# Altium PCB PING2_PCB.PcbDoc
Units mil, origin at the board's own origin, x right, y up, seen from the top; angles counter-clockwise.
Board outline 6935 x 4405 mil, 2 copper layers (Top Layer, Bottom Layer); 75 components, 91 nets, 444 pads, 0 vias.
Unrouted connection lines stored in the file: 55.
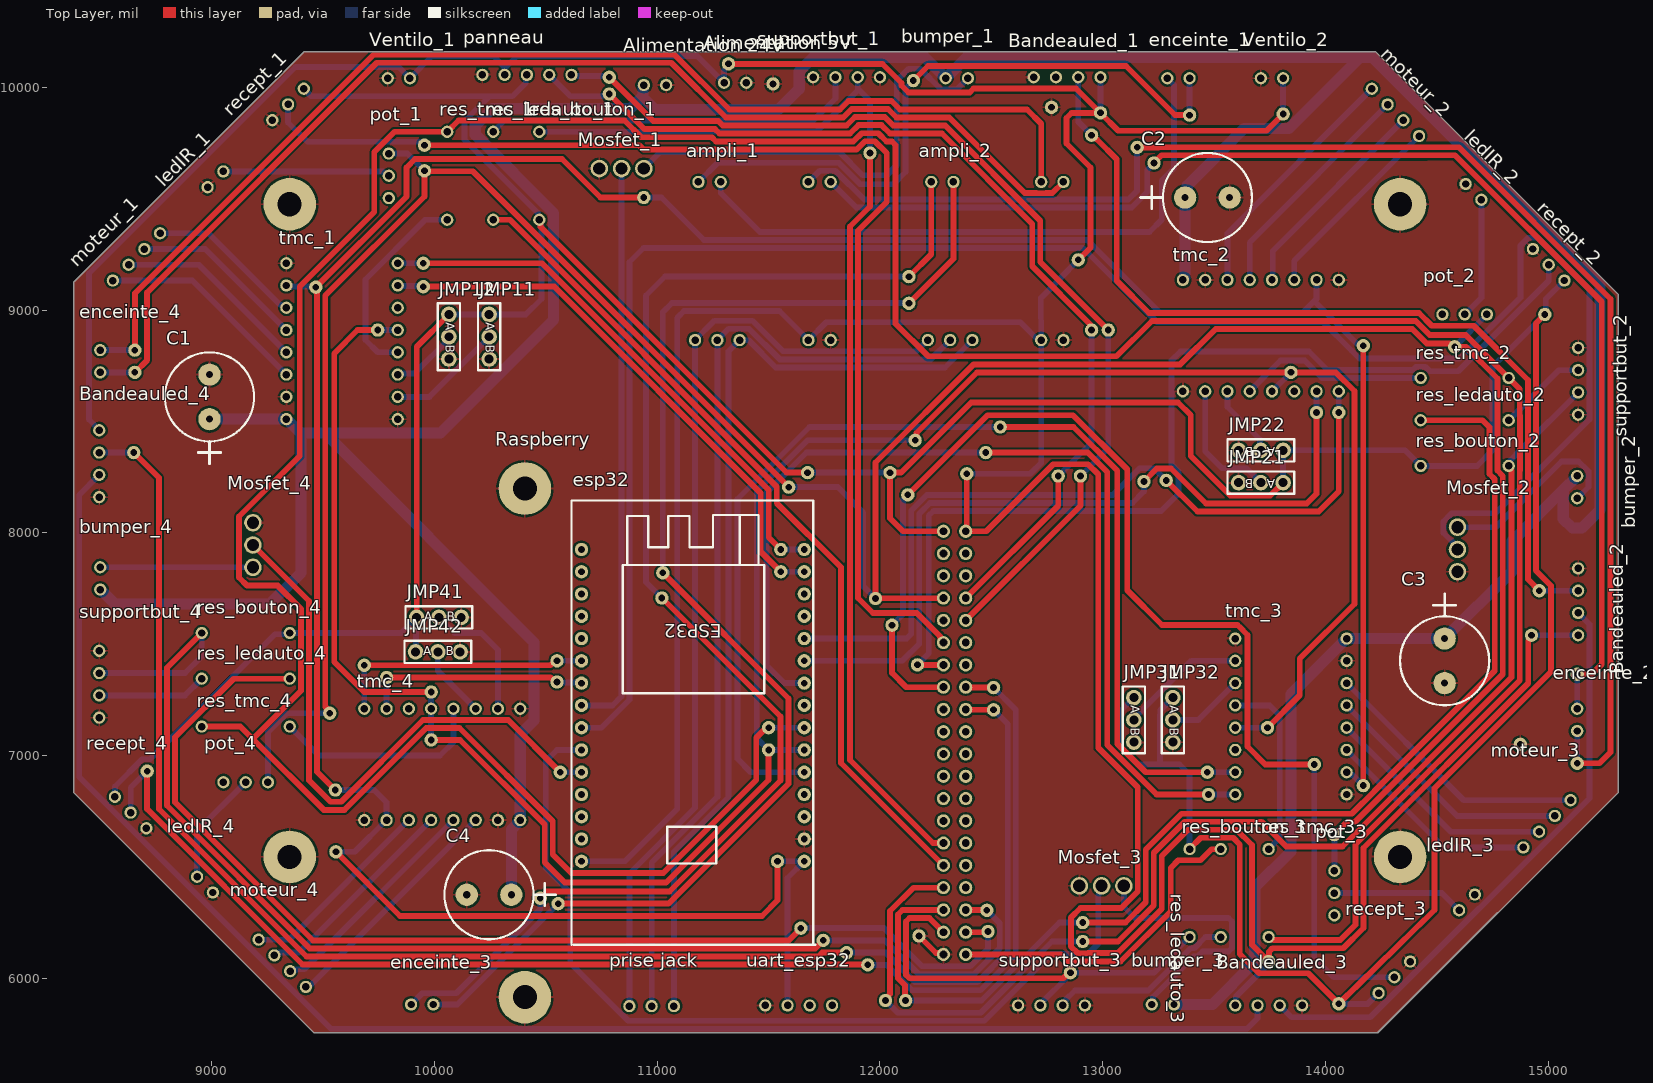
[diagram p0: Top Layer view]
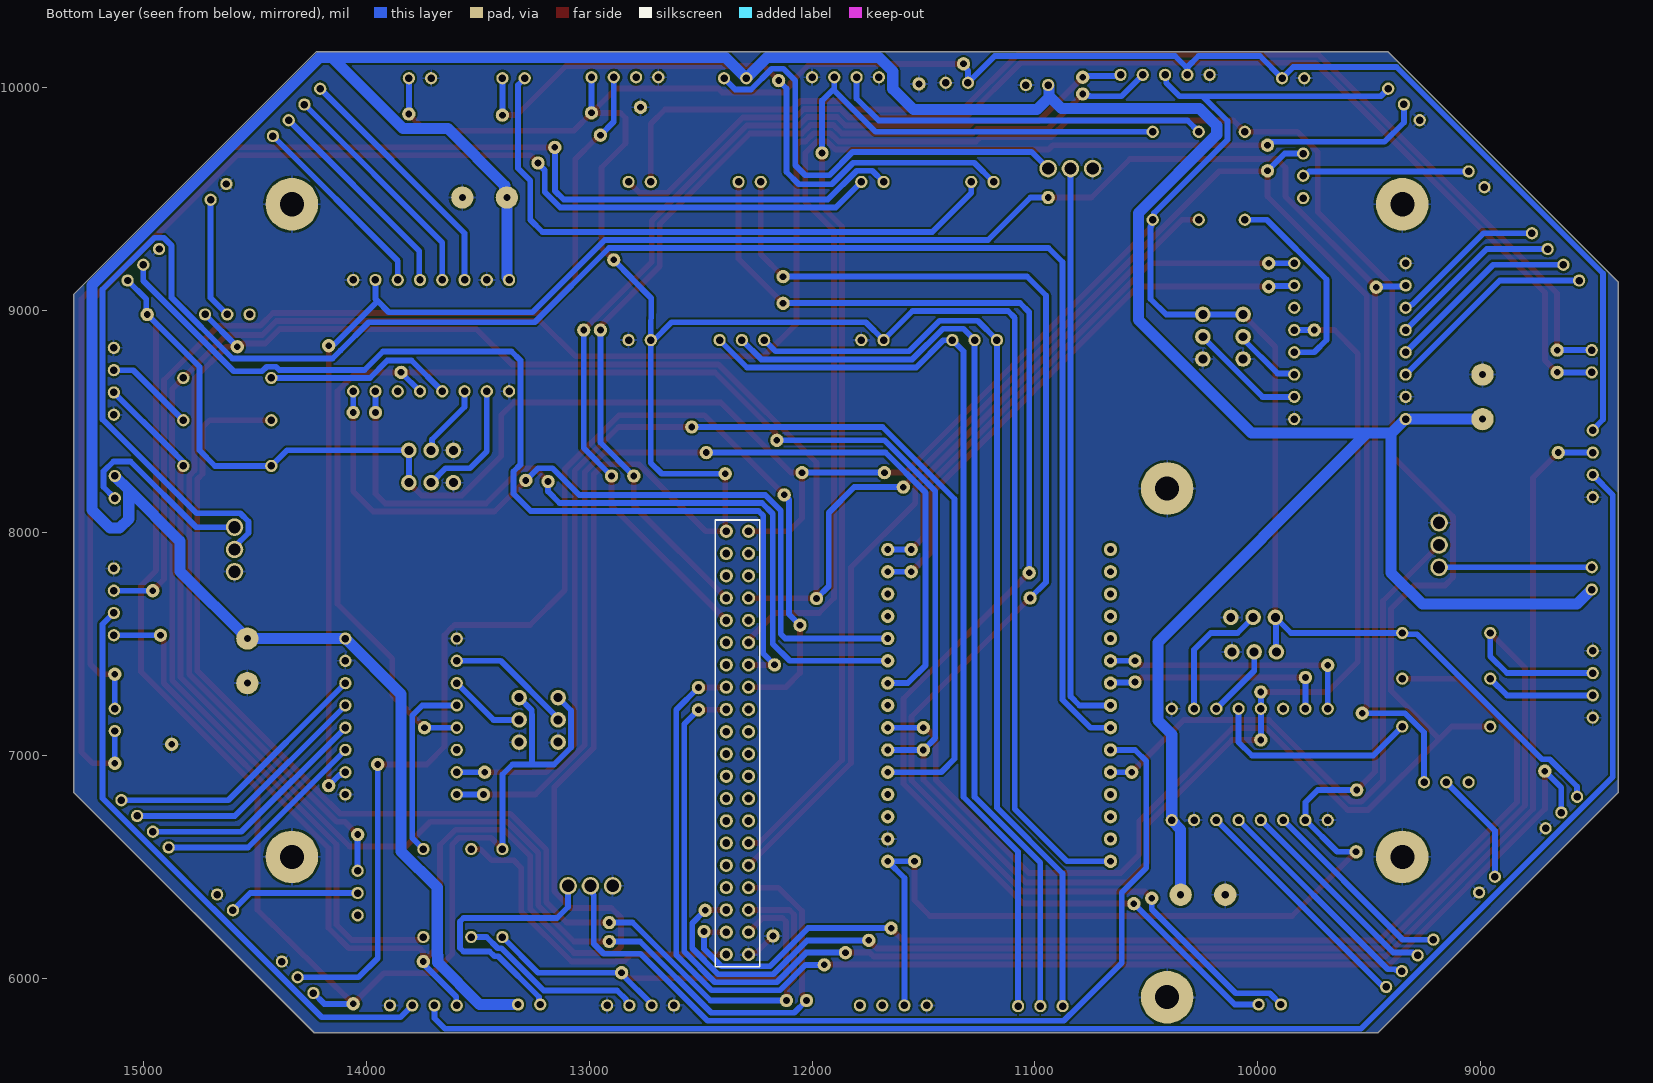
[diagram p1: Bottom Layer view, seen from below]

## Layer stack, top to bottom
Top Solder: solder mask 0.4, Solder Resist, Dk 3.5
Top Layer: signal copper 1.4
Dielectric 1: dielectric 12.6, FR-4, Dk 4.8
Bottom Layer: signal copper 1.4
Bottom Solder: solder mask 0.4, Solder Resist, Dk 3.5

## Board outline
9459.69,5755 14235,5755 15315,6835 15315,9070 14225,10160 9415,10160 8380,9125 8380,6834.69

## Design rules (kind name [scope] priority, off if disabled: settings)
Clearance [All] p1: gap=10 ignorepadtopadclearanceinfootprint=FALSE except(0: Arc-Hole Track-Hole SMDPad-Hole THPad-Hole Via-Hole Fill-Hole Poly-Hole Region-Hole Text-Hole)
PolygonConnect [All] p1: connectstyle=Relief reliefconductorwidth=10 reliefentries=4 polygonreliefangle="90 Angle" airgapwidth=10
RoutingVias [All] p1: holewidth=30 width=60 viastyle="Through Hole" minholewidth=30 minwidth=60 maxholewidth=30 maxwidth=60
SolderMaskExpansion [All] p1: expansion=4 istentingtop=FALSE
Width [All] p1: maxlimit=50 minlimit=26 preferedwidth=26 minimp=50.000000 maximp=50.000000 favimp=50.000000
30 further rules are at their usual default settings.

## Components (designator, comment, footprint, x,y, rotation, side; value= is the part's Value field where it differs from the comment)
"Alimentation 5V" "Header_2" Header_2 11600,10020 r180 top
"Alimentation 24V" "Header_2" Header_2 11240,10010 r180 top
ampli_1 "HW-104 (ampli)" "HW-104 (ampli)" 11475,9120 r0 top
ampli_2 "HW-104 (ampli)" "HW-104 (ampli)" 12520,9120 r0 top
Bandeauled_1 "Header_4" Header_4 12490,10045 r0 top
Bandeauled_2 "Header_4" Header_4 15134.41,8040 r270 top
Bandeauled_3 "Header_4" Header_4 14095,5877.8 r180 top
Bandeauled_4 "Header_4" Header_4 8495,7960 r90 top
bumper_1 "Header_2" Header_2 12095,10040.59 r0 top
bumper_2 "Header_2" Header_2 15130,8455 r270 top
bumper_3 "Header_2" Header_2 13520,5882.2 r180 top
bumper_4 "Header_2" Header_2 8499.41,7545 r90 top
C1 "CAP_POL" RB.2/.4 8990,8510 r270 top value=1u
C2 "CAP_POL" RB.2/.4 13370,9505 r180 top value=1u
C3 "CAP_POL" RB.2/.4 14535,7525 r90 top value=1u
C4 "CAP_POL" RB.2/.4 10345,6375 r0 top value=1u
enceinte_1 "Header_2" Header_2 13090,10040.59 r0 top
enceinte_2 "Header_2" Header_2 15130,7410 r270 top
enceinte_3 "Header_2" Header_2 10195,5882.2 r180 top
enceinte_4 "Header_2" Header_2 8499.41,8520 r90 top
esp32 "esp32-30pins" esp32-30pins 11140,6955 r0 top
JMP11 "JUMPER3" JMP3-100 10245,8980 r270 top
JMP12 "JUMPER3" JMP3-100 10065,8980 r270 top
JMP21 "JUMPER3" JMP3-100 13810,8225 r180 top
JMP22 "JUMPER3" JMP3-100 13810,8370 r180 top
JMP31 "JUMPER3" JMP3-100 13140,7260 r270 top
JMP32 "JUMPER3" JMP3-100 13315,7260 r270 top
JMP41 "JUMPER3" JMP3-100 9920,7620 r0 top
JMP42 "JUMPER3" JMP3-100 9915,7465 r0 top
ledIR_1 "Header_2" Header_2 8840,9410 r45 top
ledIR_2 "Header_2" Header_2 14487.87,9707.13 r315 top
ledIR_3 "Header_2" Header_2 14812.04,6517.23 r225 top
ledIR_4 "Header_2" Header_2 9146.42,6243.58 r135 top
Mosfet_1 "Mosfet" Mosfet 10670,9629.82 r0 top
Mosfet_2 "Mosfet" Mosfet 14597.68,7755 r90 top
Mosfet_3 "Mosfet" Mosfet 12825,6409.82 r0 top
Mosfet_4 "Mosfet" Mosfet 9179.82,8115 r270 top
moteur_1 "Header_4" Header_4 8414.63,8990.87 r45 top
moteur_2 "Header_4" Header_4 14066.72,10134.51 r315 top locked
moteur_3 "Header_4" Header_4 15241.94,6940.9 r225 top
moteur_4 "Header_4" Header_4 9564.01,5819.75 r135 top
panneau "Header_5" Header_5 10015,10055.59 r0 top
pot_1 "potentiometre_variable" Potentiometre_variable 9845,9882.5 r270 top
pot_2 "potentiometre_variable" Potentiometre_variable 14905,8930 r180 top
pot_3 "potentiometre_variable" Potentiometre_variable 14090,6662.5 r270 top
pot_4 "potentiometre_variable" Potentiometre_variable 9432.5,6830 r180 top
"prise jack" "Header_3" Header_3 11275,5875 r180 top
Raspberry "raspberry_3B+" raspberry_3b+ 11529.45,7201.65 r270 top
recept_1 "Header_3" Header_3 9130.62,9710.81 r45 top
recept_2 "Header_3" Header_3 14789.95,9415.24 r315 top
recept_3 "Header_3" Header_3 14521.42,6216.42 r225 top
recept_4 "Header_3" Header_3 8848.12,6531.69 r135 top
res_bouton_1 "resistance" resistance 10470.67,9540 r90 top
res_bouton_2 "resistance" resistance 14562.5,8300 r0 top
res_bouton_3 "resistance" resistance 13390,6445 r270 top
res_bouton_4 "resistance" resistance 9215,7550 r180 top
res_ledauto_1 "resistance" resistance 10263.82,9540 r90 top
res_ledauto_2 "resistance" resistance 14562.5,8505 r0 top
res_ledauto_3 "resistance" resistance 13530,6445 r270 top
res_ledauto_4 "resistance" resistance 9215,7345 r180 top
res_tmc_1 "resistance" resistance 10056.97,9540 r90 top
res_tmc_2 "resistance" resistance 14562.5,8695 r0 top
res_tmc_3 "resistance" resistance 13745,6445 r270 top
res_tmc_4 "resistance" resistance 9215,7130 r180 top
supportbut_1 "Header_4" Header_4 11500,10045 r0 top
supportbut_2 "Header_4" Header_4 15134.41,9030 r270 top locked
supportbut_3 "Header_4" Header_4 13120,5877.8 r180 top
supportbut_4 "Header_4" Header_4 8495,6970 r90 top
tmc_1 "tmc2209" tmc2209 9635,8880 r180 top
tmc_2 "tmc2209" tmc2209 13730,8835 r90 top
tmc_3 "tmc2209" tmc2209 13795,7155 r0 top
tmc_4 "tmc2209" tmc2209 10015,7010 r270 top
uart_esp32 "Header_4" Header_4 11985,5877.8 r180 top
Ventilo_1 "Header_2" Header_2 9590,10040.59 r0 top
Ventilo_2 "Header_2" Header_2 13510,10040.59 r0 top

## Footprints (in the part's own frame and the unit in brackets; to place one, negate y for a bottom-side part, rotate by r counter-clockwise, add the part's x,y. Pads: shape width x height; smd on the part's side, far side on the other; paste and mask are expansions set on the pad)
esp32-30pins [mil]
  round 60 hole 30: 1(-480,970) 1(-480,970) 2(-480,870) 3(-480,770) 4(-480,670) 5(-480,570) 6(-480,470) 7(-480,370) 8(-480,270) 9(-480,170) 10(-480,70) 11(-480,-30) 12(-480,-130) 13(-480,-230) 14(-480,-330) 15(-480,-430) 16(520,970) 17(520,870) 18(520,770) 19(520,670) 20(520,570) 21(520,470) 22(520,370) 23(520,270) 24(520,170) 25(520,70) 26(520,-30) 27(520,-130) 28(520,-230) 29(520,-330) 30(520,-430)
  silkscreen extent -525,-805 570,1190, body extent -529,-825 585,1203, height 531
Header_2 [mm]
  round 1.4 hole 0.85: 1(5.08,0) 2(7.62,0)
  body extent 2.71,-3.05 10.25,2.65, height 7.4
Header_3 [mm]
  round 1.4 hole 0.85: 1(5.08,0) 2(7.62,0) 3(10.16,0)
  body extent 2.62,-3.23 12.7,2.47, height 7.2
Header_4 [mm]
  round 1.4 hole 0.85: 1(5.08,0) 2(7.62,0) 3(10.16,0) 4(12.7,0)
  body extent 2.64,-3.16 15.14,2.54, height 7
Header_5 [mm]
  round 1.4 hole 0.85: 1(5.08,0) 2(7.62,0) 3(10.16,0) 4(12.7,0) 5(15.24,0)
  body extent 2.66,-3.43 17.66,2.27, height 7
"HW-104 (ampli)" [mm]
  round 1.4 hole 0.85: 1(-7.747,-6.477) 2(-5.207,-6.477) 3(-2.667,-6.477) 4(5.174,-6.477) 5(7.714,-6.477) 6(-7.366,11.557) 7(-4.826,11.557) 8(5.174,11.557) 9(7.714,11.557)
  body extent -9.01,-8 9.51,13.1, height 7.44
JMP3-100 [mil]
  round 70 hole 40: 1(0,0) 2(200,0) 3(100,0)
  silkscreen extent -50,-50 250,50
Mosfet [mm]
  round 2 hole 1.4: 1(1.778,0.127) 2(4.318,0.127) 3(6.858,0.127)
  body extent -0.95,-3.04 9.59,1.65, height 19.62
Potentiometre_variable [mm]
  round 1.4 hole 0.85: 1(4.572,-1.27) 2(7.112,-1.27) 3(9.652,-1.27)
  body extent 2.11,-3.68 12.11,1.32, height 12.38
raspberry_3b+ [mm]
  round 1.5 hole 0.9: 1(-20.449,19.191) 2(-20.449,21.731) 3(-17.909,19.191) 4(-17.909,21.731) 5(-15.369,19.191) 6(-15.369,21.731) 7(-12.829,19.191) 8(-12.829,21.731) 9(-10.289,19.191) 10(-10.289,21.731) 11(-7.749,19.191) 12(-7.749,21.731) 13(-5.209,19.191) 14(-5.209,21.731) 15(-2.669,19.191) 16(-2.669,21.731) 17(-0.129,19.191) 18(-0.129,21.731) 19(2.411,19.191) 20(2.411,21.731) 21(4.951,19.191) 22(4.951,21.731) 23(7.491,19.191) 24(7.491,21.731) 25(10.031,19.191) 26(10.031,21.731) 27(12.571,19.191) 28(12.571,21.731) 29(15.111,19.191) 30(15.111,21.731) 31(17.651,19.191) 32(17.651,21.731) 33(20.191,19.191) 34(20.191,21.731) 35(22.731,19.191) 36(22.731,21.731) 37(25.271,19.191) 38(25.271,21.731) 39(27.811,19.191) 40(27.811,21.731) ""(-17.909,19.191)
  round 6 hole 2.75: ""(-25.319,-28.539) ""(32.681,-28.539)
  body extent -21.84,18.09 29.21,23.09, height 8.5
RB.2/.4 [mil]
  round 100 hole 32: 1(0,0) 2(-200,0)
  silkscreen extent -300,-200 200,200
resistance [mm]
  round 1.4 hole 0.85: 1(-3.429,0) 2(6.604,0)
  body extent -3.86,-1.17 6.91,1.14, height 3.05
tmc2209 [mm]
  round 1.4 hole 0.85: 1(-5.08,9.398) 2(-5.08,6.858) 3(-5.08,4.318) 4(-5.08,1.778) 5(-5.08,-0.762) 6(-5.08,-3.302) 7(-5.08,-5.842) 8(-5.08,-8.382) 9(7.62,9.398) 9(7.62,9.398) 10(7.62,6.858) 11(7.62,4.318) 12(7.62,1.778) 13(7.62,-0.762) 14(7.62,-3.302) 15(7.62,-5.842) 16(7.62,-8.382)
  body extent -6.48,-9.53 8.76,10.8, height 21.5

## Part data
C1 C2 C3 C4: "capacité polarisée"
JMP11 JMP12 JMP21 JMP22 JMP31 JMP32 JMP41 JMP42: "cavalier 2 positions"

## Free pads (board coordinates)
  round 60 hole 30: 2(12855,6025) 3(14040,6645) 4(12390,8265) 5(9555,6845) 6(9467.5,9102.5) 7(9685,7405) 7(9785,7350) 7(9950,9105) 7(9950,9210) 7(9985,7070) 7(11320,10105) 7(11500,7025) 7(11500,7125) 7(11555,7825) 7(11555,7925) 7(12890,9225) 7(12950,9785) 7(12990,9885) 7(13185,8230) 7(13285,8235) 7(13740,7125) 7(13745,6075) 7(13810,9880) 7(13845,8720) 7(13960,8540) 7(14060,8540) 7(14170,6865) 7(14170,8840) 7(14925,7540) 7(14960,7740) 8(11955,9705) 9(11540,6525) 10(10550,7330) 11(10550,7425) 13(9955,9740) 14(8650,8360) 14(8710,6930) 14(9530,7190) 14(9745,8910) 14(9955,9625) 14(9985,7285) 14(10940,9505) 14(11590,8205) 14(11645,6225) 14(11675,8270) 14(11745,6170) 14(11850,6115) 14(11945,6060) 14(11980,7705) 14(12025,5900) 14(12045,8270) 14(12115,5900) 14(12168.27,7406.73) 14(12510,7205) 14(12510,7305) 14(12910,6165) 14(12910,6250) 14(13950,6960) 14(14060,5885) 14(14580,8835) 15(10474.49,6359.49) 15(10555,6335) 15(10785,9970) 15(10785,10045) 15(11021,7707) 15(11025,7820) 15(12054,7585) 15(12125,8170) 15(12130,9030) 15(12130,9150) 15(12150,10030) 15(12157.71,8415) 15(12475,8360) 15(12540,8475) 15(12800,8255) 15(12900,8255) 15(12950,8910) 15(13025,8910) 15(13470,6925) 16(13475,6825) 17(15130,6965) 18(15130,7365) 19(13154.5,9730) 20(13230,9660) 21(13390,9875) 22(14985,8980) 23(8655,8820) 24(8655,8720) 25(9557.5,6567.5) 26(10565,6925) 27(12480,6305) 28(12485,6210) 29(12175,6190) 30(11520,10015) 31(12770,9910) 32(14875,7050)
  round 236.22 hole 108.27: ""(9350,6545) ""(9350,9475) ""(14335,6545) ""(14335,9475)

## Nets (pads, with @x,y where several pads share a name; then routed paths per layer and width w, separated by ;. In a path a pad name is that pad's centre, name@x,y a point inside that pad or via, vN(x,y) a via of type N, cw(c..) or ccw(c..) an arc to the next point about the centre after c; other vN are vias at no path point)
3.3V: JMP11.1 JMP12.1 JMP21.1 JMP22.1 JMP31.1 JMP32.1 JMP41.1 JMP42.1 pad.14@11675,8270 pad.14@12045,8270 pad.14@14060,5885 pad.22 panneau.3 Raspberry.1 recept_1.3 recept_2.3 recept_3.3 recept_4.3 res_bouton_1.1 res_bouton_2.1 res_bouton_3.1 res_bouton_4.1 | length 18961.7
  Top Layer w26: JMP41.1 9920,8835 JMP12.1 ; res_bouton_1.1 10476.24,9399.43 10476.24,9373.76 11580,8270 pad.14@11675,8270 ; Raspberry.1 12103.27,8006.73 12045,8065 12045,8270 12095,8270 12410,8585 13338.5,8585 13395,8528.5 13395,8345 13573,8167 13752,8167 JMP21.1 ; res_bouton_3.1 13440.56,6630.56 13585.94,6630.56 13615.56,6600.94 13615.56,6109.44 13703,6022 13923,6022 14060,5885 14490,6306.45 14490,6853.18 15013,7376.18 15013,7761.95 14945,7829.95 14945,8249.18 14945.06,8249.23 14945.06,8940.06 pad.22
  Bottom Layer w26: recept_4.3 8565.97,6815.24 8565.97,6860.92 8688.05,6983 8723,6983 9284.43,7544.43 9323.84,7544.43 9344.43,7544.43 res_bouton_4.1 9850,7550 JMP41.1@9917.5,7617.5 ; recept_1.3 9447.11,9960 10247.12,9960 ; JMP42.1 9917.5,7467.5 JMP41.1@9917.5,7617.5 ; JMP41.1 JMP41.1@9917.5,7617.5 ; JMP12.1 JMP11.1 10410,8980 10480,9050 10480,9375.21 10476.24,9378.97 10476.24,9399.43 10465.1,9410.57 10465.1,9434.9 10135.21,9764.79 10135.21,9848.09 10247.12,9960 ; panneau.3 10409.43,10050.02 10409.43,10019.43 10350,9960 10247.12,9960 ; pad.14@11675,8270 pad.14@12045,8270 ; JMP31.1 13082,7202 13082,7035.98 13157.98,6960 13257.94,6960 ; JMP32.1 13257.94,7202.94 13257.94,7184.96 13257,7184.02 13257,6960.94 13257.94,6960 ; res_bouton_3.1 13390,6915 13345,6960 13257.94,6960 ; JMP21.1 JMP22.1 14357.5,8370 res_bouton_2.1 14680,8300 14750.15,8370.15 14750.15,8745.15 pad.22 14989.39,8984.39 14989.39,9049 recept_2.3 ; pad.14@14060,5885 14190,5885 recept_3.3
3.3V-esp32: esp32.30 pad.5 pad.6 pad.7@14170,6865 pad.7@14170,8840 pad.9 pad.14@10940,9505 pad.25 tmc_1.15 tmc_2.15 tmc_3.15 tmc_4.15 uart_esp32.3 | length 13747.1
  Top Layer w26: pad.5 9472.56,6927.44 9472.56,9097.44 pad.6 9875,9510 9875,9640 9913,9678 10212.49,9678 10213.05,9677.44 10572.56,9677.44 10745,9505 pad.14@10940,9505 ; pad.25 9845,6280 11470,6280 11540,6350 pad.9 ; pad.7@14170,6850 14170,6865 pad.7@14170,8840
  Bottom Layer w26: tmc_1.15 9340,9105 9465,9105 pad.6 ; pad.5 9730,6845 9785,6790 tmc_4.15 9642.5,6567.5 pad.25 ; pad.14@10940,9505 11018.91,9505 11209.91,9314 12931,9314 13255,8990 13900,8990 13950,9040 ; pad.9 esp32.30 11585,6450 uart_esp32.3 ; tmc_2.15 13960,9050 13950,9040 ; tmc_3.15 14102.88,6925 14115.66,6912.22 14122.78,6912.22 pad.7@14170,6865 ; pad.7@14170,8840 14163.49,8846.51 14143.49,8846.51 13950,9040
5V: "Alimentation 5V.2" ampli_1.4 ampli_2.4 Bandeauled_1.4 Bandeauled_2.4 Bandeauled_3.4 Bandeauled_4.4 esp32.15 pad.4 pad.7@11320,10105 pad.7@12890,9225 pad.7@12990,9885 pad.7@13745,6075 pad.7@13810,9880 pad.7@14925,7540 panneau.2 Raspberry.2 Ventilo_1.2 Ventilo_2.2 | length 21716.2
  Top Layer w26: pad.7@11320,10105 12011.5,10105 12097,10019.5 12097,10008.05 12128.05,9977 12402.91,9977 12420.35,9994.44 12880.56,9994.44 pad.7@12990,9885 ; pad.4@12390,8260 12390,8011.73 Raspberry.2 12476.78,8006.73 12778.05,8308 12934.27,8308 12980,8262.27 12980,7035 13157.37,6857.63 13157.37,6388.99 13083.38,6315 12900.05,6315 12857,6271.95 12857,6143.05 12886.05,6114 12891.86,6114 12893.86,6112 12931.95,6112 12933.95,6114 13068.09,6114 13265.37,6311.28 13265.37,6548.55 13383.38,6666.56 13600.85,6666.56 13669.67,6597.74 13669.67,6150.33 13745,6075 13746.37,6076.37 13746.37,6119.21 13761.6,6134.44 14080.35,6134.44 14171,6225.09 14171,6585.09 14910,7324.09 14910,7515.8 14925,7530.8 pad.7@14925,7540 ; pad.7@12890,9225 12945,9280 12945,9640 12837,9748 12837,9862 12860,9885 pad.7@12990,9885 ; pad.7@13810,9880 13735,9805 13070,9805 pad.7@12990,9885
  Bottom Layer w26: Bandeauled_4.4 8495,8461.83 8448.85,8507.98 8448.85,9163.85 9376.15,10091.15 9839.44,10091.15 Ventilo_1.2 9989.41,10140 10265,10140 10315,10090 panneau.2 ; 10320.57,10090.57 10370,10140 11180,10140 11300,10020 11300,10075.8 11320,10095.8 pad.7@11320,10105 ; esp32.15 10855,6525 11090,6760 11090,8964.77 11120.23,8995 11548.7,8995 ampli_1.4 11758.7,8945 12630.54,8945 ampli_2.4@12714.19,8861.35 ; pad.4 12675,8265 12723.7,8313.7 ampli_2.4 12721.49,9052.47 pad.7@12890,9225 ; pad.7@12990,9885 Bandeauled_1.4 ; Bandeauled_3.4 13597.46,5880.26 13597.46,5917.46 13738.49,6058.49 13738.49,6068.49 pad.7@13745,6075 ; pad.7@13810,9880 Ventilo_2.2 ; pad.7@14925,7540 Bandeauled_2.4
24V: "Alimentation 24V.2" bumper_1.1 bumper_2.1 bumper_3.1 bumper_4.1 C1.1 C2.1 C3.1 C4.1 tmc_1.9 tmc_2.9 tmc_3.9 tmc_4.9 | length 19020
  Top Layer w10: tmc_4.9@10385,6700 tmc_4.9@10385,6710
  Bottom Layer w50: bumper_4.1 8500.8,7745 8565.8,7680 9260,7680 9400,7820 9400,8445 9335,8510 C1.1 ; 9398.94,8447.44 9507.56,8447.44 ; C4.1 10345,6668.62 10385,6708.62 10385,6710 10385,7095 10447.56,7157.56 10447.56,7507.44 9507.56,8447.44 ; 10936.26,10010 10936.26,9961.26 10880,9905 10260,9905 10183.21,9828.21 10183.21,9786.79 10535,9435 10535,8955 10027.44,8447.44 9507.56,8447.44 ; 10937.99,9952.01 10990,9900 11545,9900 11637.44,9992.44 11637.44,10070.91 11701.53,10135 12200.59,10135 bumper_1.1 12296.39,10040.59 12390.79,10135 14151.92,10135 ; bumper_3.1 13492.21,5882.21 13680,6070 13680,6101.92 13682.44,6104.36 13682.44,6407.44 13845,6570 13845,7275 14095,7525 C3.1 14836.79,7826.79 14836.79,7961.79 15066.75,8191.75 ; tmc_2.9@13360,9135 13360,9136.39 13370,9146.39 C2.1 13379.57,9514.57 13379.57,9559.57 13635,9815 13836.92,9815 14156.92,10135 14210,10135 ; 14213.54,10131.46 15232.97,9112.03 15232.97,8102.97 15150.71,8020.71 15109.29,8020.71 15067.44,8062.56 15067.44,8191.06 15130,8253.62 bumper_2.1
GND: "Alimentation 5V.1" "Alimentation 24V.1" ampli_1.5 ampli_2.5 Bandeauled_1.1 Bandeauled_2.1 Bandeauled_3.1 Bandeauled_4.1 C1.2 C2.2 C3.2 C4.2 esp32.29 JMP11.2 JMP12.2 JMP21.2 JMP22.2 JMP31.2 JMP32.2 JMP41.2 JMP42.2 ledIR_1.1 ledIR_2.1 ledIR_3.1 ledIR_4.1 Mosfet_1.1 Mosfet_2.1 Mosfet_3.1 Mosfet_4.1 pad. pad.29 pad.30 pad.31 pad.32 panneau.1 Raspberry.39 Raspberry.@10405.87,5915 Raspberry.@10405.87,8198.46 recept_1.1 recept_2.1 recept_3.1 recept_4.1 supportbut_1.1 supportbut_1.4 supportbut_2.1 supportbut_2.4 supportbut_3.1 supportbut_3.4 supportbut_4.1 supportbut_4.4 tmc_1.1 tmc_1.10 tmc_1.16 tmc_2.1 tmc_2.10 tmc_2.16 tmc_3.1 tmc_3.10 tmc_3.16 tmc_4.1 tmc_4.10 tmc_4.16 uart_esp32.4 Ventilo_1.1 Ventilo_2.1 | length 147.2
  Top Layer w26: pad.29 12251.94,6113.06 12278.68,6113.06 Raspberry.39
  Bottom Layer w26: pad.30@11518.11,10013.11 pad.30
L: "prise jack.3" ampli_1.1 ampli_2.1 | length 4270.8
  Bottom Layer w26: 10875,5875 10875,6470.05 11170,6765.05 ampli_1.1 11256.56,8951.56 11427.48,8951.56 11564.6,8814.44 12164.44,8814.44 ampli_2.1
Netampli_1_6: ampli_1.6 enceinte_1.2 pad.15@12150,10030 pad.21 | length 2977.6
  Top Layer w26: pad.15@12150,10030 12216,10096 13104,10096 13325,9875 pad.21
  Bottom Layer w26: ampli_1.6 11271.56,9661.56 11814.55,9661.56 11911.11,9565 12060,9565 12115,9620 12115,9995 pad.15@12150,10030 ; pad.21 enceinte_1.2
Netampli_1_7: ampli_1.7 enceinte_1.1 | length 2796.1
  Bottom Layer w26: ampli_1.7 11285,9525 11460,9350 13210,9350 13265,9405 13265,9581.4 13320,9636.4 13320,10010.59 enceinte_1.1
Netampli_1_8: ampli_1.8 enceinte_2.2 pad.17 pad.19 | length 6520
  Top Layer w26: pad.19 13249.09,9730 13249.49,9730.4 14441.22,9730.4 14441.81,9731 14599,9731 15280,9050 15280,7015 15230,6965 pad.17
  Bottom Layer w26: ampli_1.8 11729.26,9625.56 11799.64,9625.56 11929.2,9496 13115.09,9496 13154.5,9535.41 pad.19 ; pad.17 enceinte_2.2
Netampli_1_9: ampli_1.9 enceinte_2.1 pad.18 pad.20 | length 5847.9
  Top Layer w26: pad.20 13264.4,9694.4 14456.13,9694.4 14456.72,9695 14581.69,9695 15240,9036.69 15240,7410 15195,7365 pad.18
  Bottom Layer w26: ampli_1.9 11893.7,9460 13130,9460 13200,9530 13200,9627.77 13230,9657.77 pad.20 ; enceinte_2.1 pad.18
Netampli_2_6: ampli_2.6 enceinte_3.2 pad.15@10474.49,6359.49 pad.15@11021,7707 pad.15@12130,9150 | length 6212.3
  Top Layer w26: pad.15@10474.49,6359.49 10505,6390 11055,6390 11553,6888 11553,7175 pad.15@11021,7707 ; pad.15@12130,9150 12230,9250 ampli_2.6
  Bottom Layer w26: enceinte_3.2 9945.56,5932.76 10097.76,5932.76 10474.49,6309.49 pad.15@10474.49,6359.49 ; pad.15@11021,7707 10950,7778 10950,9065 11035,9150 pad.15@12130,9150
Netampli_2_7: ampli_2.7 enceinte_3.1 pad.15@10555,6335 pad.15@11025,7820 pad.15@12130,9030 | length 6105.2
  Top Layer w26: pad.15@10555,6335 11050.91,6335 11589,6873.09 11589,7256 pad.15@11025,7820 ; pad.15@12130,9030 12330,9230 ampli_2.7
  Bottom Layer w26: enceinte_3.1 10102.2,5882.2 pad.15@10555,6335 ; pad.15@11025,7820 11025,8990 11066,9031 12129,9031 pad.15@12130,9030
Netampli_2_8: ampli_2.8 enceinte_4.2 pad.23 | length 5344
  Top Layer w26: pad.23 8655,9075 9726,10146 11077.98,10146 11323.98,9900 11820.49,9900 11858.49,9938 12051.51,9938 12089.51,9900 12660,9900 12723.7,9836.3 ampli_2.8
  Bottom Layer w26: enceinte_4.2 pad.23
Netampli_2_9: ampli_2.9 enceinte_4.1 pad.24 | length 5381
  Top Layer w26: enceinte_4.1 enceinte_4.1@8504.98,8725.57 ; pad.24 8710,8775 8710,9079.09 9740.91,10110 11063.07,10110 11309.07,9864 11835.4,9864 11873.4,9902 12036.6,9902 12074.6,9864 12311,9864 12650,9525 12702.2,9525 12702.76,9524.44 12744.64,9524.44 12745.2,9525 12773.7,9525 ampli_2.9
  Bottom Layer w26: enceinte_4.1 pad.24
NetBandeauled_1_3: Bandeauled_1.3 Bandeauled_2.2 pad.7@12950,9785 pad.7@14960,7740 | length 4127.2
  Top Layer w26: 12974.61,9765.39 13063.25,9676.75 13063.25,9131.75 13208,8987 14419.82,8987 14477.38,8929.44 14665.56,8929.44 14909.06,8685.94 14909.06,8264.15 14909,8264.09 14909,7791 pad.7@14960,7740
  Bottom Layer w26: Bandeauled_1.3 12890,9845 pad.7@12950,9785 ; pad.7@14960,7740 Bandeauled_2.2
NetBandeauled_2_3: Bandeauled_2.3 Bandeauled_3.2 | length 2671.7
  Bottom Layer w26: Bandeauled_3.2 13847.8,5825 14201.5,5825 15184.97,6808.47 15184.97,7589.44 Bandeauled_2.3
NetBandeauled_3_3: Bandeauled_3.3 Bandeauled_4.2 | length 7229.4
  Bottom Layer w26: Bandeauled_4.2 8405,8170 8405,6903.31 9535.31,5773 13648,5773 13695,5820 Bandeauled_3.3
Netbumper_1_2: bumper_1.2 Mosfet_1.3 | length 2021.4
  Bottom Layer w26: Mosfet_1.3@10951.78,9634.82 Mosfet_1.3 11015.18,9710 11817.02,9710 11922.02,9605 12030,9605 12075,9650 12075,10029.95 12128.05,10083 12181.09,10083 12274.06,9990.03 12344.44,9990.03 bumper_1.2
Netbumper_2_2: bumper_2.2 Mosfet_2.3 | length 870.2
  Bottom Layer w26: Mosfet_2.3 14765,8025 15060,8320 15136.5,8320 15180.56,8275.94 15180.56,8205.56 bumper_2.2
Netbumper_3_2: bumper_3.2 Mosfet_3.3 | length 1207.9
  Bottom Layer w26: Mosfet_3.3 13095,6320 13145,6270 13564.77,6270 13580.56,6254.21 13580.56,6135.79 13564.77,6120 13447.41,6120 13425.85,6098.44 13408.44,6098.44 13225.57,5915.57 13225.57,5887.78 bumper_3.2
Netbumper_4_2: bumper_4.2 Mosfet_4.3 | length 699.7
  Bottom Layer w26: bumper_4.2 Mosfet_4.3 ; Mosfet_4.3@9174.73,7835.09 Mosfet_4.3@9184.82,7825
NetJMP11_3: JMP11.3 tmc_1.2 | length 523
  Bottom Layer w26: tmc_1.2 9977.02,8610 10245,8877.98 JMP11.3
NetJMP12_3: JMP12.3 tmc_1.3 | length 306.3
  Bottom Layer w26: tmc_1.3 9840.57,8715.57 9910.57,8715.57 10065,8870 JMP12.3
NetJMP21_3: JMP21.3 tmc_2.2 | length 578
  Bottom Layer w26: tmc_2.2 13460,8365 13535.3,8289.7 13645.3,8289.7 JMP21.3
NetJMP22_3: JMP22.3 tmc_2.3 | length 327.1
  Bottom Layer w26: tmc_2.3 13560,8565 13706.17,8418.83 13706.17,8373.83 JMP22.3
NetJMP31_3: JMP31.3 tmc_3.2 | length 568.9
  Bottom Layer w26: JMP31.3 13140,7167.02 13397.98,7425 tmc_3.2
NetJMP32_3: JMP32.3 tmc_3.3 | length 348.3
  Bottom Layer w26: JMP32.3 13430,7160 tmc_3.3
NetJMP41_3: JMP41.3 tmc_4.2 | length 590.1
  Bottom Layer w26: JMP41.3 10089.7,7550.3 10209.7,7550.3 10285,7475 tmc_4.2
NetJMP42_3: JMP42.3 tmc_4.3 | length 325.4
  Bottom Layer w26: JMP42.3 10015,7380 tmc_4.3
NetledIR_1_2: ledIR_1.2 pot_1.2 | length 751
  Bottom Layer w26: ledIR_1.2 9767.49,9622.13 9787.12,9602.5 pot_1.2
NetledIR_2_2: ledIR_2.2 pot_2.2 | length 546.1
  Bottom Layer w26: pot_2.2 14700,9055 ledIR_2.2
NetledIR_3_2: ledIR_3.2 pot_3.2 | length 592
  Bottom Layer w26: pot_3.2 14522.5,6382.5 ledIR_3.2
NetledIR_4_2: ledIR_4.2 pot_4.2 | length 514.7
  Bottom Layer w26: ledIR_4.2 8934.29,6661.79 pot_4.2
Netmoteur_1_1: moteur_1.1 tmc_1.11 | length 953.9
  Bottom Layer w26: moteur_1.1 8912.71,9132.29 tmc_1.11
Netmoteur_1_2: moteur_1.2 tmc_1.12 | length 871
  Bottom Layer w26: moteur_1.2 8942,9203 tmc_1.12
Netmoteur_1_3: moteur_1.3 tmc_1.13 | length 788.2
  Bottom Layer w26: moteur_1.3 8971.29,9273.71 tmc_1.13
Netmoteur_1_4: moteur_1.4 tmc_1.14 | length 705.3
  Bottom Layer w26: moteur_1.4 8985.58,9344.42 9306.44,9023.56 9313.56,9023.56 9327.12,9010 tmc_1.14
Netmoteur_2_1: moteur_2.1 tmc_2.11 | length 1126.6
  Bottom Layer w26: tmc_2.11 13560,9344.95 moteur_2.1
Netmoteur_2_2: moteur_2.2 tmc_2.12 | length 1043.7
  Bottom Layer w26: tmc_2.12 13660,9303.53 moteur_2.2
Netmoteur_2_3: moteur_2.3 tmc_2.13 | length 960.9
  Bottom Layer w26: tmc_2.13 13763.01,9138.01 13763.01,9265.11 moteur_2.3
Netmoteur_2_4: moteur_2.4 tmc_2.14 | length 878
  Bottom Layer w26: tmc_2.14 13860,9220.69 moteur_2.4
Netmoteur_3_1: moteur_3.1 tmc_3.11 | length 1223.2
  Bottom Layer w26: tmc_3.11 14620.52,6799.48 moteur_3.1
Netmoteur_3_2: moteur_3.2 tmc_3.12 | length 1140.4
  Bottom Layer w26: tmc_3.12 14591.23,6728.77 moteur_3.2
Netmoteur_3_3: moteur_3.3 tmc_3.13 | length 1057.5
  Bottom Layer w26: tmc_3.13 14561.94,6658.06 moteur_3.3
Netmoteur_3_4: moteur_3.4 tmc_3.14 | length 974.7
  Bottom Layer w26: tmc_3.14 14532.65,6587.35 moteur_3.4
Netmoteur_4_1: moteur_4.1 tmc_4.11 | length 1072.6
  Bottom Layer w26: moteur_4.1 9428.16,5966.74 9441.74,5966.74 tmc_4.11
Netmoteur_4_2: moteur_4.2 tmc_4.12 | length 1014
  Bottom Layer w26: moteur_4.2 9357.45,6037.45 9378.04,6037.45 9380.59,6040 9415,6040 tmc_4.12
Netmoteur_4_3: moteur_4.3 tmc_4.13 | length 955.4
  Bottom Layer w26: moteur_4.3 9289.05,6102.59 9301.9,6115.45 9390.45,6115.45 tmc_4.13
Netmoteur_4_4: moteur_4.4 tmc_4.14 | length 896.8
  Bottom Layer w26: moteur_4.4 9348.3,6173.3 tmc_4.14
Netres_ledauto_1_2: res_ledauto_1.2 supportbut_1.2 | length 1693.3
  Bottom Layer w26: res_ledauto_1.2 10314.38,9850.56 11700.56,9850.56 11800,9950 supportbut_1.2
Netres_ledauto_2_2: res_ledauto_2.2 supportbut_2.2 | length 405.1
  Bottom Layer w26: res_ledauto_2.2 15047.5,8730 supportbut_2.2
Netres_ledauto_3_2: res_ledauto_3.2 supportbut_3.2 | length 844.4
  Bottom Layer w26: supportbut_3.2 12820,5885.68 12834.56,5900.23 12834.56,5904.56 12875,5945 13204.09,5945 13393.53,6134.44 13410.94,6134.44 13461.5,6185 res_ledauto_3.2
Netres_ledauto_4_2: res_ledauto_4.2 supportbut_4.2 | length 491.1
  Bottom Layer w26: supportbut_4.2 8880,7270 res_ledauto_4.2
Netres_tmc_1_1: res_tmc_1.1 tmc_1.4 | length 917.5
  Bottom Layer w26: tmc_1.4 9745,8810 9690,8865 9690,9136.5 9958.5,9405 res_tmc_1.1
Netres_tmc_2_1: res_tmc_2.1 tmc_2.4 | length 857
  Bottom Layer w26: tmc_2.4 13798,8773 13907,8773 13985,8695 res_tmc_2.1
Netres_tmc_3_1: res_tmc_3.1 tmc_3.4 | length 839.4
  Bottom Layer w26: tmc_3.4 13750,7225 13795,7180 13795,6630 res_tmc_3.1
Netres_tmc_4_1: res_tmc_4.1 tmc_4.4 | length 963.7
  Bottom Layer w26: res_tmc_4.1 9480,7000 10025,7000 10085,7060 tmc_4.4
pin4esp: esp32.26 pad.15@12540,8475 pad.15@13470,6925 tmc_3.7 | length 5220.8
  Top Layer w26: pad.15@12540,8475 12869.09,8475 13065,8279.09 13065,7052.98 13192.98,6925 pad.15@13470,6925
  Bottom Layer w26: esp32.26 11420,6925 11360,6985 11360,8151.78 11683.22,8475 pad.15@12540,8475 ; pad.15@13470,6925 tmc_3.7
pin4rasp: pad.3 pad.14@9530,7190 pad.14@9955,9625 pad.14@11590,8205 pad.14@11980,7705 pad.14@14580,8835 pot_1.1 pot_2.1 pot_3.1 pot_4.1 Raspberry.7 | length 13178.3
  Top Layer w26: pad.14@9530,7190 9530,7199.2 9510,7219.2 9510,9065 9955,9510 9955,9625 9957,9623 10172,9623 pad.14@11590,8205 ; Raspberry.7 12284.13,7705.87 11980.87,7705.87 11980,7705 11980,8315 12421,8756 13348,8756 13507,8915 14390,8915 14455,8850 14555.8,8850 14570.8,8835 14630,8835 14771.94,8693.06 14771.94,8279.06 14796,8255 14796,7365.14 14133.42,6702.56 14097.56,6702.56 pad.3
  Bottom Layer w26: pot_4.1 9252.5,7104 9338.5,7190 pad.14@9530,7190 ; pot_1.1 9877.5,9702.5 pad.14@9955,9625 ; pad.14@11590,8205 11810,8205 11925,8090 11925,7760 pad.14@11980,7705 ; pot_3.1 pad.3 ; pad.14@14580,8835 pot_2.1
pin5rasp: pad.8 Raspberry.29 res_bouton_1.2 supportbut_1.3 | length 5205.4
  Top Layer w26: pad.8 11955,9465 11865.26,9375.26 11865.26,6979.74 12238.27,6606.73 Raspberry.29
  Bottom Layer w26: res_bouton_1.2 11715,9800 11900,9985 ; supportbut_1.3 11900,9995 11955,9940 pad.8
pin6rasp: Raspberry.31 res_ledauto_1.1 | length 3779.6
  Top Layer w26: res_ledauto_1.1 10339.09,9405 11537,8207.09 11537,8133 11825,7845 11825,6966.73 Raspberry.31
pin13rasp: pad.14@12025,5900 pad.14@12910,6165 Raspberry.33 res_bouton_2.2 supportbut_2.3 | length 5794
  Top Layer w26: pad.14@12025,5900 12025,5909.2 12045,5929.2 12045,6301.59 12150.14,6406.73 Raspberry.33 ; pad.14@12910,6165 13068.18,6165 13229.37,6326.19 13229.37,6563.46 13368.47,6702.56 13713.48,6702.56 13824.04,6592 14076.09,6592 14835,7350.91 14835,8279.62 14822.5,8292.12 res_bouton_2.2
  Bottom Layer w26: pad.14@12025,5900 12080,5845 12452.11,5845 12772.11,6165 pad.14@12910,6165 ; res_bouton_2.2 14828.07,8305.57 14828.07,8323.66 14879,8374.59 supportbut_2.3
pin14esp: esp32.11 Mosfet_4.2 pad.26 | length 2671.1
  Top Layer w26: Mosfet_4.2@9184.82,7940 9189.82,7940 9436.56,7693.26 9436.56,6888.49 9533.05,6792 9581.13,6792 9948.13,7159 10331,7159 pad.26
  Bottom Layer w26: pad.26 esp32.11
pin16rasp: pad.14@11745,6170 pad.27 Raspberry.36 res_bouton_4.2 supportbut_4.3 | length 5858.9
  Top Layer w26: res_bouton_4.2 8799,7394 8799,6775.09 9440.09,6134 11709,6134 pad.14@11745,6170 ; Raspberry.36 pad.27@12483.27,6306.73
  Bottom Layer w26: supportbut_4.3 8880,7370 8955,7445 res_bouton_4.2 ; pad.14@11745,6170 12021.78,6170 12173.57,6018.2 12421.67,6018.2 12538,6134.54 12538,6247 pad.27
pin17rasp: pad.13 Raspberry.11 recept_1.2 | length 5382
  Top Layer w26: pad.13 10919.62,9740 10939.62,9720 11895.05,9720 11933.05,9758 11976.95,9758 12030,9704.95 12030,9485 11901.26,9356.26 11901.26,7706.97 11968.23,7640 12165,7640 12269.18,7535.82 12269.18,7531.5 12285,7515.68 Raspberry.11
  Bottom Layer w26: recept_1.2 9342.75,9842.25 9430,9755 9940,9755 pad.13
pin18esp: esp32.22 pad.15@12475,8360 pad.16 tmc_3.8 | length 4511.7
  Top Layer w26: pad.15@12475,8360 12933.18,8360 13020,8273.18 13020,7047.06 13242.06,6825 pad.16
  Bottom Layer w26: esp32.22 11570,7325 11490,7405 11490,8179.95 11670.05,8360 pad.15@12475,8360 ; pad.16 tmc_3.8
pin19esp: esp32.21 pad.7@13185,8230 pad.7@13960,8540 tmc_2.7 | length 3569.2
  Top Layer w26: pad.7@13185,8230 13243,8288 13306.95,8288 13463.95,8131 13916,8131 13960,8175 pad.7@13960,8540
  Bottom Layer w26: esp32.21 12100,7425 12176,7501 12176,8085.09 12224.91,8134 13134,8134 13184.71,8184.71 13184.71,8229.71 pad.7@13185,8230 ; pad.7@13960,8540 tmc_2.7
pin19rasp: pad.14@12115,5900 pad.14@12910,6250 Raspberry.35 res_ledauto_2.1 | length 5435.3
  Top Layer w26: pad.14@12115,5900 12112.32,5902.68 12112.32,5969 12081,6000.32 12081,6286.68 12101.05,6306.73 Raspberry.35 ; pad.14@12910,6250 13102.27,6250 13193.37,6341.1 13193.37,6578.37 13353.56,6738.56 14118.51,6738.56 14223,6843.05 14223,6843.91 14760,7380.91 14760,8240.09 14735.94,8264.15 14735.94,8474.06 14705,8505 res_ledauto_2.1
  Bottom Layer w26: pad.14@12115,5900 12456.2,5900 12806.2,6250 pad.14@12910,6250
pin20rasp: pad.14@11645,6225 pad.28 Raspberry.38 res_ledauto_4.1 | length 5127.7
  Top Layer w26: res_ledauto_4.1 9098.5,7345 8835,7081.5 8835,6790 9455,6170 11590,6170 pad.14@11645,6225 ; Raspberry.38 pad.28@12486.73,6206.73
  Bottom Layer w26: pad.14@11645,6225 12017.69,6225 12188.48,6054.2 12406.76,6054.2 12485,6132.45 pad.28
pin21esp: esp32.20 pad.7@13285,8235 pad.7@14060,8540 tmc_2.8 | length 3610
  Top Layer w26: pad.7@13285,8235 13425,8095 13970,8095 14060,8185 pad.7@14060,8540
  Bottom Layer w26: esp32.20 12120,7525 12140,7545 12140,8100 12210,8170 13045,8170 13165,8290 13230,8290 pad.7@13285,8235 ; pad.7@14060,8540 tmc_2.8
pin21rasp: Raspberry.40 res_ledauto_3.1 | length 1481.6
  Top Layer w26: Raspberry.40 12813.27,6106.73 12842,6078 12876.95,6078 12879.95,6075 13080,6075 13305,6300 13305,6495 13339.44,6529.44 13439.44,6529.44 13488.94,6578.94 13528.94,6578.94 res_ledauto_3.1
pin22esp: esp32.17 pad.7@9950,9105 pad.7@11555,7825 tmc_1.7 | length 2510.9
  Top Layer w26: pad.7@9950,9105 10537.27,9105 11465,8177.27 11465,7915 pad.7@11555,7825
  Bottom Layer w26: tmc_1.7 9837.5,9107.5 9947.5,9107.5 pad.7@9950,9105 ; pad.7@11555,7825 esp32.17
pin22rasp: pad.14@13950,6960 pad.15@12054,7585 pad.15@12125,8170 Raspberry.15 recept_3.2 | length 5585.7
  Top Layer w26: pad.15@12054,7585 12054,7371 12118.27,7306.73 Raspberry.15 ; pad.15@12125,8170 12483,8528 12867,8528 13110,8285 13110,7741.64 13265.82,7585.82 13605.68,7585.82 13615.94,7575.56 13650,7541.5 13650,7040 13730,6960 pad.14@13950,6960
  Bottom Layer w26: pad.15@12054,7585 12104,7635 12104,8149 pad.15@12125,8170 ; pad.14@13950,6960 13950,6090 14035.71,6004.29 recept_3.2
pin23esp: esp32.16 pad.7@9950,9210 pad.7@11555,7925 tmc_1.8 | length 2482.1
  Top Layer w26: pad.7@9950,9210 10483.18,9210 11501,8192.18 11501,7979 pad.7@11555,7925
  Bottom Layer w26: tmc_1.8 pad.7@9950,9210 ; pad.7@11555,7925 esp32.16
pin23rasp: pad.14@8710,6930 pad.14@11945,6060 pad.14@12510,7305 Raspberry.16 recept_4.2 | length 6058.2
  Top Layer w26: pad.14@8710,6930 8710,6760 9408,6062 11945,6062 pad.14@11945,6060 ; Raspberry.16 12385.87,7305.87 12509.13,7305.87 pad.14@12510,7305
  Bottom Layer w26: recept_4.2 8635.98,6855.98 pad.14@8710,6930 ; pad.14@11945,6060 12029.95,6060 12143.75,5946.2 12451.49,5946.2 12610,6104.71 12610,7205 pad.14@12510,7305
pin24rasp: Bandeauled_4.3 pad.14@8650,8360 pad.14@11850,6115 pad.14@12510,7205 Raspberry.18 | length 7237.2
  Top Layer w26: pad.14@8650,8360 8763,8247 8763,6760.18 9425.18,6098 11723.91,6098 11740.91,6115 pad.14@11843.67,6115 ; Raspberry.18 12385.87,7205.87 12509.13,7205.87 pad.14@12510,7205
  Bottom Layer w26: Bandeauled_4.3 pad.14@8650,8360 ; pad.14@11850,6115 12025.86,6115 12158.66,5982.2 12436.58,5982.2 12574,6119.62 12574,7141 pad.14@12510,7205
pin25esp: esp32.8 Mosfet_1.2 | length 2565.9
  Bottom Layer w26: esp32.8 10799.09,7225 10839,7264.91 10839,9229.91 10840,9230.91 Mosfet_1.2
pin26esp: esp32.9 Mosfet_2.2 | length 8810.1
  Bottom Layer w26: esp32.9 10750,7125 10875,7250 10875,9215 10938,9278 12911.95,9278 13244.95,8945 13990.05,8945 14117,8818.05 14153.05,8782 14601.95,8782 14875,9055.05 14875,9288.96 14910.43,9324.38 14952.31,9324.38 15184.97,9091.72 15184.97,8509.06 15183.92,8508.01 14763.29,8087.37 14566.84,8087.37 14530.31,8050.83 14530.31,7999.17 14592.68,7936.8 Mosfet_2.2
pin26rasp: pad.2 Raspberry.37 res_bouton_3.2 supportbut_3.3 | length 1999.1
  Top Layer w26: Raspberry.37 12221.73,6270 12132.23,6270 12117,6254.77 12117,6015.23 12132.23,6000 12822.77,6000 12847.77,6025 pad.2
  Bottom Layer w26: supportbut_3.3 12720,5883.9 12855,6018.9 pad.2 13230,6025 res_bouton_3.2
pin27esp: esp32.10 Mosfet_3.2 | length 4019.6
  Bottom Layer w26: esp32.10 10550,7025 10500,6975 10500,6495 10610,6385 10610,6068.5 10824.44,5854.06 10854.06,5824.44 10869.5,5809 12469,5809 12770,6110 12935,6110 12980,6155 12980,6373.22 12984.91,6378.13 12984.91,6404.73 Mosfet_3.2
pin27rasp: pad.14@12168.27,7406.73 Raspberry.13 recept_2.2 | length 4579.9
  Top Layer w26: pad.14@12168.27,7406.73 Raspberry.13
  Bottom Layer w26: pad.14@12168.27,7406.73 12219.01,7457.47 12219.01,8077.18 12239.82,8098 13263,8098 13340,8175 13340,8275 13309.44,8305.56 13309.44,8774.44 13349,8814 13926,8814 14009,8731 14392,8731 14406.56,8745.56 14448.44,8745.56 14469,8725 14595.87,8725 15002.08,9131.21 recept_2.2
pin32esp: esp32.6 pad.7@9685,7405 pad.11 tmc_4.8 | length 1178.3
  Top Layer w26: pad.7@9685,7405 10520.8,7405 10540.8,7425 pad.11
  Bottom Layer w26: tmc_4.8 pad.7@9685,7405 ; pad.11 esp32.6
pin33esp: esp32.7 pad.7@9785,7350 pad.10 tmc_4.7 | length 1010.4
  Top Layer w26: pad.7@9785,7350 10520.8,7350 10540.8,7330 pad.10
  Bottom Layer w26: tmc_4.7 pad.7@9785,7335 ; pad.10 10552.5,7327.5 10657.5,7327.5 esp32.7
R: "prise jack.1" ampli_1.3 ampli_2.3 | length 4258.7
  Bottom Layer w26: 11075,5875 11075,6568.22 11320,6813.22 11320,8815 ampli_1.3 11371.06,8863.94 11411.06,8863.94 11532.56,8742.44 12292.44,8742.44 ampli_2.3
RX2_ESP32: esp32.25 pad.7@9985,7070 pad.7@11500,7025 pad.7@13740,7125 pad.7@13845,8720 pad.14@9745,8910 pad.14@9985,7285 pad.15@12157.71,8415 tmc_1.5 tmc_2.5 tmc_3.5 tmc_4.5 | length 10862.9
  Top Layer w26: pad.14@9745,8910 9655,8910 9550,8805 9550,7420 9685,7285 pad.14@9985,7285 ; pad.7@9985,7070 10115,7070 10495,6690 10495,6520 10585,6430 11040,6430 11500,6890 pad.7@11500,7025 ; pad.15@12157.71,8415 12164.21,8421.51 12164.21,8448.3 12435.91,8720 14046.5,8720 14130,8636.5 14130,7680 13885,7435 13885,7270 pad.7@13740,7125
  Bottom Layer w26: pad.14@9745,8910 tmc_1.5 ; pad.7@9985,7070 tmc_4.5 pad.14@9985,7285 ; esp32.25 11500,7025 11447,7078 11447,8187.87 11674.13,8415 pad.15@12157.71,8415 ; tmc_3.5@13596.06,7126.06 tmc_3.5 pad.7@13740,7125 ; tmc_2.5 pad.7@13845,8720
RX_ESP32: esp32.19
RX_RASP: pad.15@10785,10045 pad.15@12900,8255 pad.15@13025,8910 panneau.5 Raspberry.10 | length 4603.9
  Top Layer w26: pad.15@10785,10045 10982,9848 11274.16,9848 11294.16,9828 11850.31,9828 11888.31,9866 12021.69,9866 12059.69,9828 12207,9828 12292.91,9828 12720,9400.91 12720,9315 12720,9215 pad.15@13025,8910 ; Raspberry.10 12900,8121.73 pad.15@12900,8255
  Bottom Layer w26: panneau.5 10620.3,10050.3 10779.71,10050.3 10785,10045 pad.15@10784.41,10055.59 ; pad.15@12900,8255 13025,8380 pad.15@13025,8910
T: "prise jack.2" ampli_1.2 ampli_2.2 | length 4270.8
  Bottom Layer w26: 10975,5875 10975,6519.14 11270,6814.14 ampli_1.2 11320.56,8915.56 11412.57,8915.56 11549.69,8778.44 12228.44,8778.44 ampli_2.2
TX2_ESP32: esp32.24 pad.7@11500,7125 res_tmc_1.2 res_tmc_2.2 res_tmc_3.2 res_tmc_4.2 | length 16391
  Top Layer w26: res_tmc_4.2 9128.46,7130 9184.23,7074.23 ; pad.7@11500,7125 11490,7125 11445,7080 11445,6890 11027,6472 10614.05,6472 10531,6555.05 10531,6704.91 10112.91,7123 9963.05,7123 9596.05,6756 9502.46,6756 9184.23,7074.23 ; res_tmc_3.2 13752.88,6185 13766.5,6171.38 14066.38,6171.38 14135,6240 14135,6600 14872,7337 14872,8278 14873.06,8279.06 14873.06,8525.94 14872,8527 14872,8645.5 res_tmc_2.2 14629.5,8888 14467.91,8888 14404.91,8951 13221,8951 13062,8792 12216.5,8792 12070,8938.5 12070,9740 12054,9756 12029.86,9756 11991.86,9794 11918.14,9794 11880.14,9756 11264.34,9756 11244.34,9776 10928.09,9776 10853.53,9850.56 10107.53,9850.56 res_tmc_1.2 9821,9800 9730,9709 9730,9440 9395,9105 9395,8345 9122.45,8072.45 9122.45,7799.17 9158.99,7762.63 9296.28,7762.63 9400.56,7658.35 9400.56,7290.56 9184.23,7074.23
  Bottom Layer w26: pad.7@11500,7125 esp32.24
TX_ESP32: esp32.18
TX_RASP: pad.15@10785,9970 pad.15@12800,8255 pad.15@12950,8910 panneau.4 Raspberry.8 | length 4509.6
  Top Layer w26: pad.15@10785,9970 10943,9812 11259.25,9812 11279.25,9792 11865.22,9792 11903.22,9830 12006.78,9830 12044.78,9792 12278,9792 12684,9386 12684,9196 12943.49,8936.51 12943.49,8916.51 pad.15@12950,8910 ; Raspberry.8 12800,8121.73 pad.15@12800,8255
  Bottom Layer w26: panneau.4 10610.59,9960 10752.77,9960 10756.26,9963.49 10778.49,9963.49 pad.15@10785,9970 ; pad.15@12800,8255 12950,8405 pad.15@12950,8910
pads on no net: Bandeauled_1.2 esp32.1 esp32.2 esp32.3 esp32.4 esp32.5 esp32.12 esp32.13 esp32.14 esp32.23 esp32.27 esp32.28 pot_1.3 pot_2.3 pot_3.3 pot_4.3 Raspberry.3 Raspberry.4 Raspberry.5 Raspberry.6 Raspberry.9 Raspberry.12 Raspberry.14 Raspberry.17 Raspberry.19 Raspberry.20 Raspberry.21 Raspberry.22 Raspberry.23 Raspberry.24 Raspberry.25 Raspberry.26 Raspberry.27 Raspberry.28 Raspberry.30 Raspberry.32 Raspberry.34 Raspberry.@12285,7906.73 tmc_1.6 tmc_2.6 tmc_3.6 tmc_4.6 uart_esp32.1 uart_esp32.2

## Polygon pours and split planes (outlines as drawn)
GND on Top Layer "NONET_L-01_P-001" (solid, pour order 3): 9415,10160 8380,9125 8380,6835 9460,5755 14235,5755 15315,6835 15315,9070 14225,10160
GND on Bottom Layer "NONET_L-01_P-001" (solid, pour order 0): 9415,10160 8380,9125 8380,6835 9460,5755 14235,5755 15315,6835 15315,9070 14225,10160

## Silkscreen, mask and mechanical layers (free items; w line width, h text height)
Mechanical 1:
  the board outline again, w10

## Text inside footprints (layer, text, board x,y; h text height)
esp32: Top Overlay "ESP32" at 11290,7590 h60 r180
JMP11: Top Overlay "B" at 10230,8845 h40 r270; Top Overlay "A" at 10230,8945 h40 r270
JMP12: Top Overlay "B" at 10050,8845 h40 r270; Top Overlay "A" at 10050,8945 h40 r270
JMP21: Top Overlay "B" at 13675,8240 h40 r180; Top Overlay "A" at 13775,8240 h40 r180
JMP22: Top Overlay "B" at 13675,8385 h40 r180; Top Overlay "A" at 13775,8385 h40 r180
JMP31: Top Overlay "B" at 13125,7125 h40 r270; Top Overlay "A" at 13125,7225 h40 r270
JMP32: Top Overlay "A" at 13300,7225 h40 r270; Top Overlay "B" at 13300,7125 h40 r270
JMP41: Top Overlay "A" at 9955,7605 h40; Top Overlay "B" at 10055,7605 h40
JMP42: Top Overlay "B" at 10050,7450 h40; Top Overlay "A" at 9950,7450 h40